# Altium PCB Proyecto_0-Buck_Up.PcbDoc (part 4 of 5) (continued)
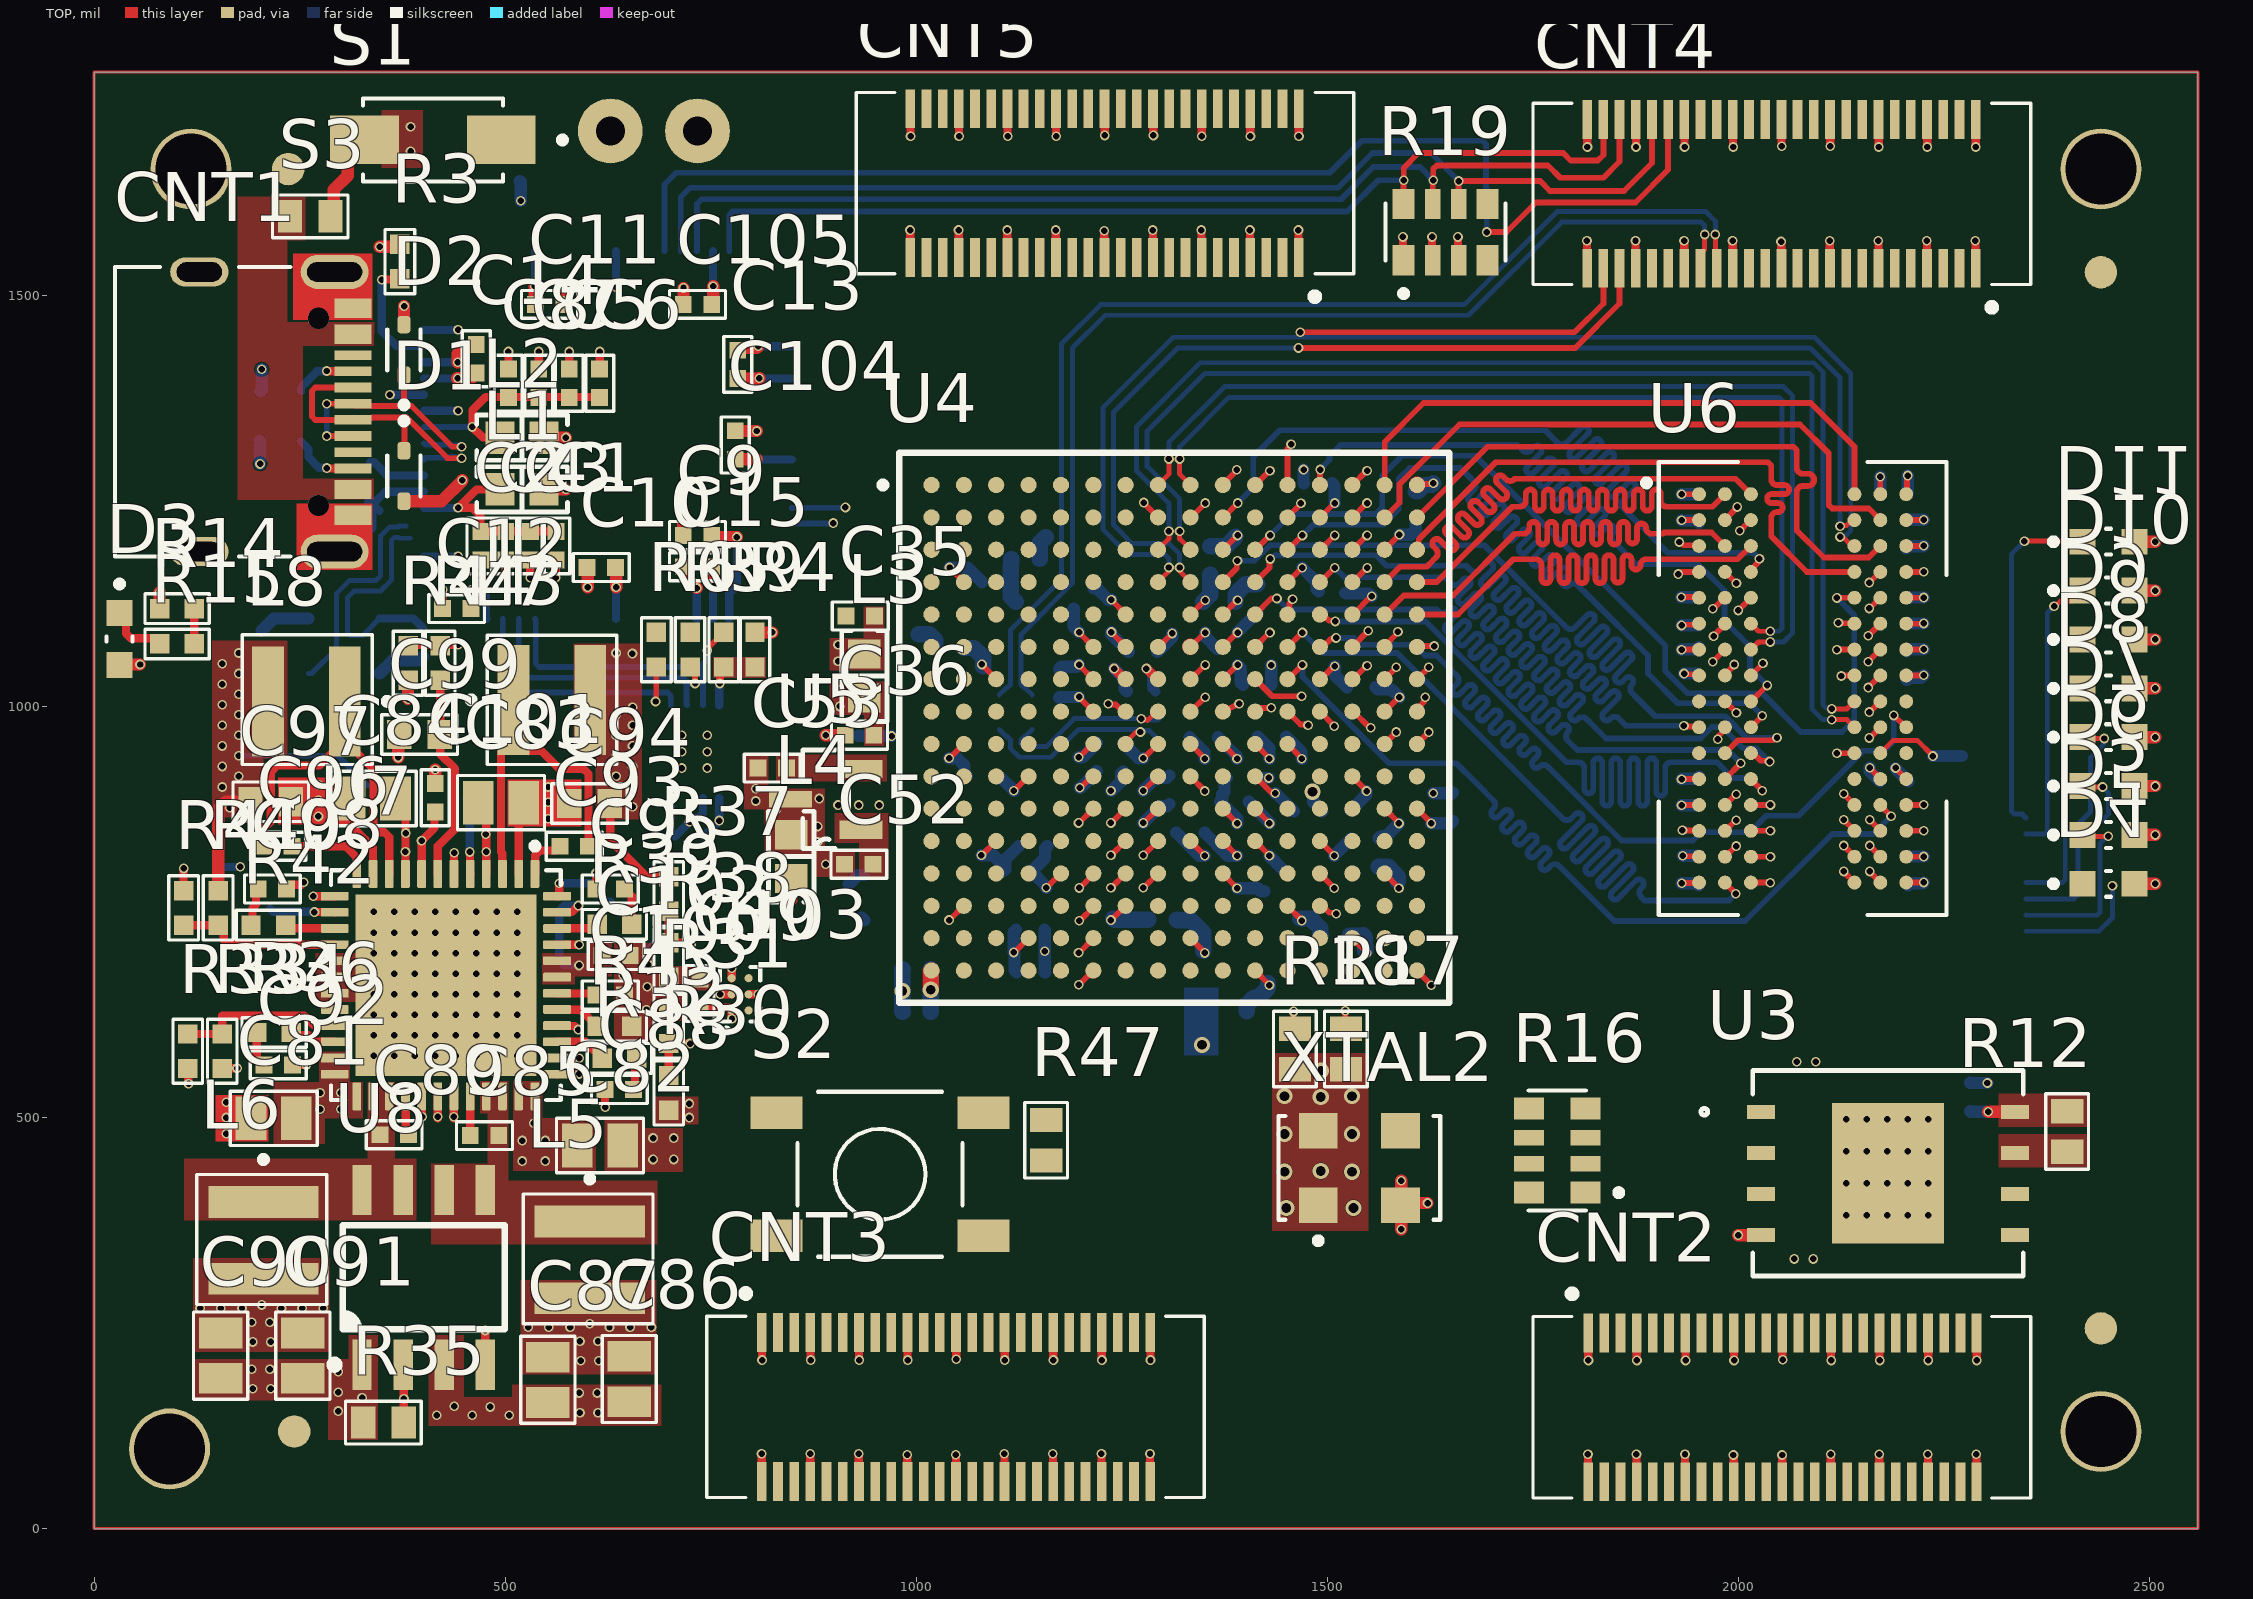
[diagram p0: TOP view]
## Nets (pads, with @x,y where several pads share a name; then routed paths per layer and width w, separated by ;. In a path a pad name is that pad's centre, name@x,y a point inside that pad or via, vN(x,y) a via of type N, cw(c..) or ccw(c..) an arc to the next point about the centre after c; other vN are vias at no path point) (continued)
DQ5: U4.J16 U6.H8 | length 667.8
  TOP w7: U4.J16@1609.16,954.37 1609.16,954.53 1623.37,968.74 v1(1623.37,968.89) ; v1(2158,1023) U6.H8@2172.7,1037.68
  Signal[1] w6: v1(1623.37,968.89) 1635.26,957 1636,957 1639,957 ccw(c1639,963) 1645,963 1645,969.05 cw(c1649.97,969.05) 1654.94,969.05 1654.94,956.97 ccw(c1659.91,956.97) 1664.87,956.97 1664.87,968.84 cw(c1669.84,968.84) 1674.81,968.84 1674.81,963 ccw(c1680.81,963) 1680.81,957 1705.44,957 1945,957 1961,973 2042,973 2092,1023 v1(2158,1023)
DQ6: U4.H14 U6.G2 | length 670.4
  TOP w7: U4.H14@1530.42,993.74 1531.95,993.74 1551.7,974 v1(1553,974) ; v1(1969.02,1054.5) U6.G2@1983.72,1069.18
  Signal[1] w6: v1(1553,974) 1566,987 1566,1011 1588,1033 1659,1033 1662,1033 ccw(c1662,1039) 1668,1039 1668,1045.31 cw(c1672.97,1045.31) 1677.94,1045.31 1677.94,1029.27 ccw(c1682.91,1029.27) 1687.87,1029.27 1687.87,1045.31 cw(c1692.84,1045.31) 1697.81,1045.31 1697.81,1029.27 ccw(c1702.78,1029.27) 1707.75,1029.27 1707.75,1045.31 cw(c1712.72,1045.31) 1717.69,1045.31 1717.69,1029.27 ccw(c1722.65,1029.27) 1727.62,1029.27 1727.62,1045.31 cw(c1732.59,1045.31) 1737.56,1045.31 1737.56,1039 ccw(c1743.56,1039) 1743.56,1033 1769.75,1033 1776.75,1040 1908.5,1040 1923,1054.5 v1(1969.02,1054.5)
DQ7: U4.J15 U6.H7 | length 667.8
  TOP w7: U4.J15@1569.79,954.37 1569.79,954.53 1584,968.74 v1(1584,968.89) ; v1(2125,1037.01) 2125.67,1037.68 U6.H7@2141.2,1037.68
  Signal[1] w6: v1(1584,968.89) 1606.11,991 1694,991 1706.94,991 cw(c1706.94,985) 1712.94,985 1712.94,978.22 ccw(c1717.91,978.22) 1722.87,978.22 1722.87,991.03 cw(c1727.84,991.03) 1732.81,991.03 1732.81,978.9 ccw(c1737.78,978.9) 1742.75,978.9 1742.75,985 cw(c1748.75,985) 1748.75,991 1763.03,991 1973,991 1988,1006 2047,1006 2078.01,1037.01 v1(2125,1037.01)
DQ8: U4.C16 U6.D7 | length 748.5
  TOP w7: U4.C16@1609.16,1190.6 1611.26,1192.69 1611.26,1203.26 1705,1297 2035.9,1297 2040,1292.9 2040,1279.72 2040,1276.22 ccw(c2047,1276.22) 2047,1269.22 2056.15,1269.22 cw(c2056.15,1263.75) 2056.15,1258.28 2040.47,1258.28 ccw(c2040.47,1252.81) 2040.47,1247.34 2048.3,1247.34 cw(c2048.3,1241.88) 2048.3,1236.41 2047,1236.41 ccw(c2047,1229.41) 2040,1229.41 2040,1211.79 2040,1207 2083.33,1163.67 U6.D7@2141.2,1163.67
DQ9: U4.E16 U6.C3 | length 747.8
  TOP w7: U4.E16@1609.16,1111.86 1659.14,1111.86 1726.29,1179 1739.18,1179 1753.61,1179 cw(c1753.61,1172) 1760.61,1172 1760.61,1155.35 ccw(c1766.08,1155.35) 1771.55,1155.35 1771.55,1178.53 cw(c1777.02,1178.53) 1782.49,1178.53 1782.49,1155.35 ccw(c1787.96,1155.35) 1793.43,1155.35 1793.43,1178.53 cw(c1798.89,1178.53) 1804.36,1178.53 1804.36,1155.35 ccw(c1809.83,1155.35) 1815.3,1155.35 1815.3,1178.53 cw(c1820.77,1178.53) 1826.24,1178.53 1826.24,1155.35 ccw(c1831.71,1155.35) 1837.17,1155.35 1837.17,1178.53 cw(c1842.64,1178.53) 1848.11,1178.53 1848.11,1155.95 ccw(c1853.58,1155.95) 1859.05,1155.95 1859.05,1178.53 cw(c1864.52,1178.53) 1869.98,1178.53 1869.98,1172 ccw(c1875.45,1172) 1880.92,1172 cw(c1887.92,1172) 1887.92,1179 1905.25,1179 1999.06,1179 U6.C3@2015.22,1195.16
DQ10: U4.B16 U6.C8 | length 747.8
  TOP w7: U4.B16@1609.16,1229.97 1695.2,1316 2066.9,1316 2071,1311.9 2071,1294 2071,1290.5 ccw(c2078.44,1290.5) 2078.44,1283.06 2084.72,1283.06 cw(c2084.72,1275.63) 2084.72,1268.19 2078.44,1268.19 ccw(c2078.44,1260.75) 2071,1260.75 2071,1241.45 2071,1214 2104,1181 2158.54,1181 U6.C8@2172.7,1195.16
DQ11: U4.E15 U6.C2 | length 747.9
  TOP w7: U4.E15@1569.79,1111.86 1569.86,1111.86 1569.86,1111.92 1592.94,1135 1653,1135 1728,1210 1735.05,1210 1738.55,1210 ccw(c1738.55,1217) 1745.55,1217 1745.55,1219.07 cw(c1751.02,1219.07) 1756.48,1219.07 1756.48,1202.47 ccw(c1761.95,1202.47) 1767.42,1202.47 1767.42,1219.07 cw(c1772.89,1219.07) 1778.36,1219.07 1778.36,1202.47 ccw(c1783.83,1202.47) 1789.29,1202.47 1789.29,1219.07 cw(c1794.76,1219.07) 1800.23,1219.07 1800.23,1202.47 ccw(c1805.7,1202.47) 1811.17,1202.47 1811.17,1219.07 cw(c1816.64,1219.07) 1822.11,1219.07 1822.11,1202.47 ccw(c1827.57,1202.47) 1833.04,1202.47 1833.04,1219.07 cw(c1838.51,1219.07) 1843.98,1219.07 1843.98,1202.47 ccw(c1849.45,1202.47) 1854.92,1202.47 1854.92,1219.07 cw(c1860.39,1219.07) 1865.85,1219.07 1865.85,1203.68 ccw(c1871.32,1203.68) 1876.79,1203.68 1876.79,1217 cw(c1882.26,1217) 1887.73,1217 ccw(c1894.73,1217) 1894.73,1210 1908.25,1210 1909.66,1211.41 1967.48,1211.41 U6.C2@1983.72,1195.16
DQ12: U4.A15 U6.A7 | length 723.1
  TOP w7: U4.A15@1569.79,1269.34 1569.79,1321.79 1617,1369 2088,1369 2141.2,1315.8 U6.A7@2141.2,1258.15
DQ13: U4.D16 U6.A2 | length 745.7
  TOP w7: U4.D16@1609.16,1151.23 1633.23,1151.23 1725,1243 1731,1243 1734.5,1243 ccw(c1734.5,1250) 1741.5,1250 1741.5,1258.36 cw(c1746.97,1258.36) 1752.44,1258.36 1752.44,1243.47 ccw(c1757.91,1243.47) 1763.37,1243.47 1763.37,1258.36 cw(c1768.84,1258.36) 1774.31,1258.36 1774.31,1243.47 ccw(c1779.78,1243.47) 1785.25,1243.47 1785.25,1258.36 cw(c1790.72,1258.36) 1796.19,1258.36 1796.19,1243.47 ccw(c1801.65,1243.47) 1807.12,1243.47 1807.12,1258.36 cw(c1812.59,1258.36) 1818.06,1258.36 1818.06,1243.47 ccw(c1823.53,1243.47) 1829,1243.47 1829,1258.36 cw(c1834.46,1258.36) 1839.93,1258.36 1839.93,1243.47 ccw(c1845.4,1243.47) 1850.87,1243.47 1850.87,1258.36 cw(c1856.34,1258.36) 1861.81,1258.36 1861.81,1243.47 ccw(c1867.28,1243.47) 1872.74,1243.47 1872.74,1258.36 cw(c1878.21,1258.36) 1883.68,1258.36 1883.68,1243.47 ccw(c1889.15,1243.47) 1894.62,1243.47 1894.62,1258.36 cw(c1900.09,1258.36) 1905.56,1258.36 1905.56,1250 ccw(c1912.56,1250) 1912.56,1243 1929.82,1243 1968.57,1243 U6.A2@1983.72,1258.15
DQ14: U4.B15 U6.B8 | length 747.8
  TOP w7: U4.B15@1569.79,1229.97 1588,1248.17 1588,1270.14 1660.86,1343 1877,1343 2050,1343 2075,1343 2110,1308 2110,1244.72 2114.1,1240.62 2158.73,1240.62 U6.B8@2172.7,1226.66
DQ15: U4.D15 U6.A3 | length 742.4
  TOP w7: U4.D15@1569.79,1151.23 1588.57,1170 1621,1170 1629.89,1178.89 1632.36,1181.36 ccw(c1627.41,1186.31) 1632.36,1191.26 1629.26,1194.37 cw(c1633.12,1198.24) 1629.26,1202.1 cw(c1633.12,1198.24) 1636.99,1202.1 1647.72,1191.38 ccw(c1651.58,1195.24) 1655.45,1191.38 ccw(c1651.58,1195.24) 1655.45,1199.11 1644.72,1209.84 cw(c1648.59,1213.7) 1644.72,1217.57 cw(c1648.59,1213.7) 1652.46,1217.57 1663.18,1206.85 ccw(c1667.05,1210.71) 1670.92,1206.85 ccw(c1667.05,1210.71) 1670.92,1214.58 1660.19,1225.3 cw(c1664.06,1229.17) 1660.19,1233.04 cw(c1664.06,1229.17) 1667.93,1233.04 1678.65,1222.31 ccw(c1682.52,1226.18) 1686.38,1222.31 ccw(c1682.52,1226.18) 1686.38,1230.05 1675.66,1240.77 cw(c1679.53,1244.64) 1675.66,1248.5 cw(c1679.53,1244.64) 1683.39,1248.5 1694.12,1237.78 ccw(c1697.98,1241.65) 1701.85,1237.78 ccw(c1697.98,1241.65) 1701.85,1245.51 1691.13,1256.24 cw(c1694.99,1260.1) 1691.13,1263.97 cw(c1694.99,1260.1) 1698.86,1263.97 1709.58,1253.25 ccw(c1713.45,1257.11) 1717.32,1253.25 ccw(c1713.45,1257.11) 1717.32,1260.98 1706.59,1271.71 cw(c1710.46,1275.57) 1706.59,1279.44 cw(c1710.46,1275.57) 1714.33,1279.44 1717.43,1276.33 ccw(c1722.38,1281.28) 1727.33,1276.33 1728,1277 1741.93,1277 1996.37,1277 U6.A3@2015.22,1258.15
E6: CNT4.40 U4.E6
EEPROM_CLK: R5.1 U1.62 U2.2 | length 334.5
  TOP w7: R5.1@725,1048 731,1042 v1(731,1028)
  Bottom Layer w7: U1.62@516.73,1106.38 516.73,1044.27 526,1035 716.48,1035 720.58,1030.9 720.58,1027 ; U2.2@721.16,1001.5 720.58,1002.07 720.58,1027 ; v1(731,1028) 730.08,1027.08 720.66,1027.08 720.58,1027
EEPROM_CS: R6.1 U1.63 U2.1 | length 353.9
  TOP w7: v1(683,1006) 684,1007 R6.1@684,1048
  Bottom Layer w7: U1.63@497.05,1106.38 497.05,1027.95 508,1017 683,1017 ; v1(683,1006) 683,1017 ; U2.1@701.47,1001.5 701.47,1012.91 697.39,1017 683,1017
EEPROM_DATA: R9.2 U1.61 U2.3 | length 358.2
  TOP w7: v1(746,1068) 746.92,1068.92 746.92,1070.92 R9.2@766,1090
  Bottom Layer w7: U1.61@536.42,1106.38 537.15,1105.64 537.15,1052.1 541.25,1048 736.74,1048 ; U2.3@740.84,1001.5 740.84,1043.9 736.74,1048 ; v1(746,1068) 745.08,1067.08 745.08,1056.34 736.74,1048
Enable_CH1y5: R24.1 R27.2 U7.5 U7.37 | length 120.4
  TOP w10: v1(457,823) 457.26,822.74 457.26,796.5 U7.5@457.53,796.24 ; U7.37@563.24,552.73 563.37,552.87 589.87,552.87 v1(590,553)
  Bottom Layer w10: R27.2@453.39,888 457,884.39 v1(457,823)
Enable_CH3: R25.1 R28.2 U7.48 | length 92.5
  TOP w10: U7.48@563.24,769.27 565.68,769.27 566,769.58 v1(566,785)
  Bottom Layer w10: v1(566,785) 605.61,785 613.31,777.29 613.31,772.37 623.08,762.61 R25.1@628,762.61
Enable_CH4: R26.1 R29.2 U7.14 | length 80.8
  TOP w10: v1(268.1,749.9) 292.45,749.9 U7.14@292.76,749.58
  Bottom Layer w10: R26.1@214,754.39 218.15,750.24 267.76,750.24 v1(268.1,749.9)
GND: C1.1 C2.1 C3.1 C4.1 C5.1 C6.1 C7.1 C8.1 C9.2 C10.1 C11.1 C12.1 C13.1 C14.1 C15.1 C16.1 C17.1 C18.1 C19.1 C20.1 C21.1 C22.1 C23.1 C24.1 C25.1 C26.1 C27.1 C28.1 C29.1 C30.1 C31.1 C32.1 C33.1 C34.1 C35.1 C36.1 C38.1 C39.1 C40.1 C41.1 C42.1 C43.1 C44.1 C45.1 C46.1 C47.1 C48.1 C49.1 C50.1 C51.1 C56.1 C57.1 C58.1 C59.1 C60.1 C61.1 C62.1 C63.1 C64.1 C65.1 C66.1 C67.1 C68.1 C69.1 C70.1 C71.1 C72.1 C73.1 C74.1 C75.1 C76.1 C77.1 C78.1 C79.1 C80.1 C81.1 C82.1 C83.1 C84.1 C86.1 C87.1 C88.1 C90.1 C91.1 C92.1 C94.1 C95.1 C97.1 C98.1 C99.1 C100.1 C101.1 C102.1 C103.2 C104.1 C105.1 CNT1.A1_B12 CNT1.B1_A12 CNT1.SH1 CNT1.SH2 CNT1.SH3 CNT1.SH4 CNT2.4 CNT2.10 CNT2.16 CNT2.22 CNT2.29 CNT2.35 CNT2.41 CNT2.47 CNT3.4 CNT3.10 CNT3.16 CNT3.22 CNT3.29 CNT3.35 CNT3.41 CNT3.47 CNT4.4 CNT4.10 CNT4.16 CNT4.22 CNT4.29 CNT4.35 CNT4.41 CNT4.47 CNT5.4 CNT5.10 CNT5.16 CNT5.22 CNT5.29 CNT5.35 CNT5.41 CNT5.47 D1.A D2.A D3.C D4.C D5.C D6.C D7.C D8.C D9.C D10.C D11.C L4.1 pad.F@236.22,1653.54 pad.H@118.11,1653.54 pad.Supply+@734,1700 R1.2 R2.2 R7.1 R10.1 R23.1 R27.1 R28.1 R29.1 R31.2 R34.2 R35.2 R38.2 R41.2 R44.2 R45.1 R48.2 S2.3 S2.4 U1.1 U1.5 U1.10 U1.11 U1.13 U1.15 U1.25 U1.35 U1.47 U1.51 U2.5 U3.4 U3.9 U4.A1 U4.A11 U4.B8 U4.C5 U4.C15 U4.D2 U4.D12 U4.E9 U4.F6 U4.F8 U4.F10 U4.F16 U4.G3 U4.G9 U4.G13 U4.H6 U4.J9 U4.J11 U4.K4 U4.K6 U4.K7 U4.K8 U4.K14 U4.L1 U4.L11 U4.M8 U4.M10 U4.M11 U4.N5 U4.N15 U4.P2 U4.P12 U4.R9 U4.T6 U4.T16 U6.A9 U6.B1 U6.B3 U6.B9 U6.D1 U6.D8 U6.E1 U6.E2 U6.E8 U6.F9 U6.G1 U6.G8 U6.G9 U6.J2 U6.J8 U6.M1 U6.M9 U6.P1 U6.P9 U6.T1 U6.T9 U7.2 U7.11 U7.13 U7.17 U7.18 U7.19 U7.30 U7.38 U7.49 U8.1 U8.3 U9.B2 XTAL1.2 XTAL2.2 | length 5853.9
  TOP w7: v1@1040.41,740.15 U4.P2@1057.79,757.52 ; v1@1040.61,1168.6 U4.D2@1057.98,1151.23 ; v1@1079.98,1050.69 U4.G3@1097.35,1033.31 ; v1@1119.15,897.63 U4.K4@1136.53,915 ; v1@1158.52,779.52 U4.N5@1175.9,796.89 ; v1@1198.09,661.41 U4.T6@1215.46,678.78 ; v1@1198.09,1011.12 U4.H6@1215.46,993.74 ; v1@1198.09,1089.86 U4.F6@1215.46,1072.49 ; v1@1199.48,900.97 U4.K6@1216.86,918.34 ; v1@1276.63,818.89 U4.M8@1294.01,836.26 ; v1@1276.63,897.63 U4.K8@1294.01,915 ; v1@1276.83,1247.54 U4.B8@1294.2,1230.16 ; U4.F8@1293.81,1071.4 v1@1311.19,1088.78 ; U4.R9@1333.57,717.96 v1@1350.95,700.58 ; U4.J9@1333.57,954.18 v1@1350.95,936.8 ; U4.G9@1333.77,1033.12 v1@1351.15,1050.49 ; U4.E9@1333.77,1111.86 v1@1351.15,1129.23 ; U4.M10@1372.94,836.07 v1@1390.32,818.69 ; U4.F10@1373.14,1072.49 v1@1390.52,1089.86 ; U4.M11@1412.31,836.07 v1@1429.69,818.69 ; U4.L11@1412.31,875.44 v1@1429.69,858.06 ; U4.J11@1412.31,954.18 v1@1429.69,936.8 ; U4.A11@1412.51,1269.34 v1@1429.89,1286.71 ; U4.A11@1413.09,1269.34 U4.A11@1413.09,1270.91 ; U4.P12@1451.68,757.33 v1@1469.06,739.95 ; U4.D12@1451.88,1151.23 v1@1469.26,1168.6 ; U4.G13@1491.25,1033.12 1492.09,1033.12 1507.98,1049 v1(1509.02,1049) ; U4.K14@1530.42,914.81 v1@1547.8,897.43 ; U4.N15@1569.79,796.7 v1@1587.17,779.32 ; U4.C15@1569.99,1190.6 1569.99,1191.01 1587.76,1208.78 v1(1587.76,1209) ; U4.T16@1609.16,678.59 v1@1626.54,661.21 ; U4.F16@1609.68,1072.81 1610.3,1073.42 v1(1630.3,1073.42) ; v1(1927,1161) 1928.3,1161 1930.97,1163.67 U6.D1@1952.22,1163.67 ; v1(1930.41,1132.75) 1930.66,1133 U6.E1@1951.7,1133 ; v1(1930.94,911.45) 1931.18,911.7 U6.M1@1952.22,911.7 ; v1(1930.94,1068.93) 1931.18,1069.18 U6.G1@1952.22,1069.18 ; v1(1930.94,1226.41) 1931.18,1226.66 U6.B1@1952.22,1226.66 ; v1(1931.32,785.09) 1931.64,785.4 1951.91,785.4 U6.T1@1952.22,785.71 ; v1(1931.95,849.47) 1932.33,849.09 1951.84,849.09 U6.P1@1952.22,848.7 ; v1(1969.02,1118.91) 1969.74,1118.91 1983,1132.17 U6.E2@1983.72,1132.17 ; U6.J2@1983.72,1006.19 v1(1997.7,992.2) ; v1(2001.59,1213.65) 2001.9,1213.65 2014.91,1226.66 U6.B3@2015.22,1226.66 ; v1(2158,1054.5) U6.G8@2172.7,1069.18 ; v1(2159.07,1119.16) 2159.38,1119.16 2172.39,1132.17 U6.E8@2172.7,1132.17 ; v1(2159.07,1150.66) 2159.38,1150.66 2172.39,1163.67 U6.D8@2172.7,1163.67 ; v1(2159.38,993.18) 2159.69,993.18 U6.J8@2172.7,1006.19 U6.J8@2173.01,1006.19 ; v1(2191.18,925.17) 2191.18,924.86 2204.19,911.85 U6.M9@2204.19,911.7 U6.M9@2204.19,911.54 ; U6.T9@2204.19,785.71 2225.23,785.71 v1(2225.48,785.96) ; U6.P9@2204.19,848.7 2225.23,848.7 v1(2225.48,848.95) ; U6.G9@2204.19,1069.18 2225.23,1069.18 v1(2225.48,1069.42) ; U6.F9@2204.19,1100.67 2225.23,1100.67 v1(2225.48,1100.92) ; U6.B9@2204.19,1226.66 2225.23,1226.66 v1(2225.48,1226.9) ; v1(2205.9,1280.83) 2205.05,1279.98 2205.05,1260.65 U6.A9@2206.02,1259.67
  TOP w10: R41.2@109,775.91 v1(109,802.91) ; R34.2@156,559.62 156.19,559.81 173.81,559.81 v1(174,560) ; C98.1@234.32,778 239.56,783.24 252.24,783.24 v1(255,786) ; C92.1@241.32,564 v1(258,564) ; v1(266.54,769) 266.8,769.27 U7.13@292.76,769.27 ; C84.1@311.44,888 315.72,883.72 315.72,852.28 339.42,828.58 U7.11@339.42,796.24 ; v1@418,499 v1@418.16,499.16 ; v1(418,501) 418,525.61 U7.30@418.16,525.76 ; C12.1@423.35,1118.68 424.03,1119.35 423.69,1119.69 423.69,1141.34 v1@424.03,1141.68 ; v1(470.7,1156.67) C2.1@470.73,1177.97 ; v1(500.7,1156.67) C4.1@500.73,1177.97 ; C8.1@504.03,1410.36 v1@504.03,1431.62 ; U7.2@516.58,796.24 516.58,877.02 C83.1@522.56,883 ; v1(530.7,1156.67) C3.1@530.73,1177.97 ; C7.1@541.03,1410.36 v1@541.03,1431.62 ; v1(561.7,1156.67) C1.1@561.73,1177.97 ; U7.38@563.24,572.42 574.96,572.42 575.17,572.21 589.79,572.21 v1(590,572) ; C5.1@578.03,1410.36 v1@578.03,1431.62 ; C95.1@610.68,778 v1(610.68,797.32) ; C6.1@615.03,1410.36 v1@615.03,1431.62 ; v1(621.68,512.32) C88.1@621.68,534 ; U9.B2@796.23,649.86 807.86,649.86 v1(808,650) ; v1@805.68,1335.32 v1(806,1335) ; v1(871,91) 871.16,90.84 871.16,57.61 CNT3.47@871.31,57.45 ; CNT3.4@871.31,238.55 871.47,238.39 871.47,205.16 v1(871.63,205) ; v1(989,90) 989.21,89.79 989.21,57.66 CNT3.41@989.43,57.45 ; CNT3.10@989.43,238.55 989.58,238.39 989.58,205.16 v1(989.74,205) ; v1(1051.57,1579.45) 1051.73,1579.29 1051.73,1546.06 CNT5.22@1051.89,1545.9 ; CNT5.29@1051.89,1727 1052.05,1726.84 1052.05,1693.61 v1(1052.2,1693.45) ; v1(1107.22,91) 1107.38,90.84 1107.38,57.61 CNT3.35@1107.54,57.45 ; CNT3.16@1107.54,238.55 1107.69,238.39 1107.69,205.16 v1(1107.85,205) ; v1(1169.69,1579.45) 1169.84,1579.29 1169.84,1546.06 CNT5.16@1170,1545.9 ; CNT5.35@1170,1727 1170.16,1726.84 1170.16,1693.61 v1(1170.31,1693.45) ; v1(1225.33,91) 1225.49,90.84 1225.49,57.61 CNT3.29@1225.65,57.45 ; CNT3.22@1225.65,238.55 1225.8,238.39 1225.8,205.16 v1(1225.96,205) ; v1(1287.8,1579.45) 1287.95,1579.29 1287.95,1546.06 CNT5.10@1288.11,1545.9 ; CNT5.41@1288.11,1727 1288.32,1726.79 1288.32,1694.66 v1(1288.54,1694.45) ; v1(1405.91,1579.45) 1406.06,1579.29 1406.06,1546.06 CNT5.4@1406.22,1545.9 ; CNT5.47@1406.22,1727 1406.38,1726.84 1406.38,1693.61 v1(1406.54,1693.45) ; v1(1874.89,1566.45) 1875.05,1566.29 1875.05,1533.06 CNT4.22@1875.2,1532.9 ; CNT4.29@1875.2,1714 1875.36,1713.84 1875.36,1680.61 v1(1875.52,1680.45) ; v1(1876.06,90.55) 1876.21,90.39 1876.21,57.16 CNT2.47@1876.37,57 ; CNT2.4@1876.37,238.1 1876.53,237.94 1876.53,204.71 v1(1876.69,204.55) ; v1(1993,1566.45) 1993.16,1566.29 1993.16,1533.06 CNT4.16@1993.31,1532.9 ; CNT4.35@1993.31,1714 1993.47,1713.84 1993.47,1680.61 v1(1993.63,1680.45) ; v1(1994.06,89.55) 1994.27,89.34 1994.27,57.21 CNT2.41@1994.48,57 ; CNT2.10@1994.48,238.1 1994.64,237.94 1994.64,204.71 v1(1994.8,204.55) ; v1(2111.11,1566.45) 2111.27,1566.29 2111.27,1533.06 CNT4.10@2111.43,1532.9 ; CNT4.41@2111.43,1714 2111.64,1713.79 2111.64,1681.66 v1(2111.85,1681.45) ; v1(2112.28,90.55) 2112.43,90.39 2112.43,57.16 CNT2.35@2112.59,57 ; CNT2.16@2112.59,238.1 2112.75,237.94 2112.75,204.71 v1(2112.91,204.55) ; v1(2229.22,1566.45) 2229.38,1566.29 2229.38,1533.06 CNT4.4@2229.54,1532.9 ; CNT4.47@2229.54,1714 2229.69,1713.84 2229.69,1680.61 v1(2229.85,1680.45) ; v1(2230.39,90.55) 2230.54,90.39 2230.54,57.16 CNT2.29@2230.7,57 ; CNT2.22@2230.7,238.1 2230.86,237.94 2230.86,204.71 v1(2231.02,204.55)
  TOP w12: U4.G3@1095.27,1033.12 U4.G3@1097.35,1033.12
  TOP w15: D3.C@31,1050.5 31.5,1051 v1(56,1051) ; v1(370,938) 370,964.61 C99.1@371.39,966 ; D1.A@377,1249.58 422.58,1249.58 v1(448,1275) ; D2.A@377,1464.42 377.09,1464.51 v1(377.09,1487.02) ; v1(382,1009) R44.2@382,1031.62 ; C101.1@415,906.32 v1(415,923) ; v1(442.54,1418.58) 442.54,1428.8 451.33,1437.59 462.26,1437.59 C14.1@465,1440.32 ; C11.1@571.32,1489 572,1489.68 v1(572,1511) ; C10.1@599.68,1169 600.35,1168.32 v1(600.35,1145) ; C15.1@716.68,1170 719.41,1167.26 719.41,1157.59 v1(733,1144) ; C9.2@716.68,1208 716.68,1232.68 v1(717,1233) ; C105.1@716.68,1490 717,1490.32 v1(717,1509) ; C104.1@780,1335.32 780.32,1335 v1(806,1335) ; C13.1@783,1433.32 785.74,1436.06 806.06,1436.06 v1(808,1438) ; v1(848,765) L4.1@848,790.85 ; v1(890,965) C36.1@913.68,965 ; XTAL2.2@1588,393.55 1590,395.55 v1(1590,423) ; XTAL2.2@1588.55,395 1589.55,396 v1(1622,396) ; XTAL2.2@1589,393.45 1590,392.45 v1(1590,364) ; v1(2000,357) U3.4@2027.5,357 ; D4.C@2481.65,784.32 v1(2507.24,784.32) ; D5.C@2481.65,843.75 v1(2507.24,843.75) ; D6.C@2481.65,903.18 v1(2507.24,903.18) ; D7.C@2481.65,962.61 v1(2507.24,962.61) ; D8.C@2481.65,1022.03 v1(2507.24,1022.03) ; D9.C@2481.65,1081.46 v1(2507.24,1081.46) ; D10.C@2481.65,1140.89 v1(2507.24,1140.89) ; D11.C@2481.65,1200.32 v1(2507.24,1200.32)
  TOP w18: U4.F16@1609.16,1072.49 U4.F16@1609.49,1072.81
  Bottom Layer w7: C71.1@2204.19,1226.66 C71.1@2204.31,1226.78 ; v1@2225.35,1226.78 v1(2225.48,1226.9)
  Bottom Layer w10: R29.1@152,803.61 153.05,804.65 177.65,804.65 v1(178,805) ; R7.1@336,1247.79 R7.1@337.65,1247.79 ; R7.1@347.41,1238.02 R7.1@337.65,1247.79 ; v1(360,1379) 360.21,1379.21 U1.11@401.38,1379.21 ; U1.1@401.38,1182.36 442.54,1182.36 v1(442.76,1182.57) ; U1.5@401.38,1261.1 354.24,1261.1 340.92,1247.79 R7.1@337.65,1247.79 ; U1.10@401.38,1359.53 442.54,1359.53 v1(442.76,1359.74) ; U1.13@401.38,1418.58 v1(442.54,1418.58) ; U1.15@401.38,1457.95 442.54,1457.95 v1(442.76,1458.17) ; U1.25@634.84,1553.62 634.92,1553.54 634.92,1510.08 v1(635,1510) ; v1(674,686) 674,703.63 683.76,713.39 R28.1@688,713.39 ; v1(733,1144) 733.13,1143.87 733.13,1106.78 733,1106.65 U1.51@733.27,1106.38 ; C18.1@741.32,842 v1(760.53,861.2) U2.5@760.53,888.5 ; v1(808,1438) 848.35,1438 U1.35@848.62,1438.27 ; v1@1351.26,1050.49 v1(1351.54,1050.49) ; v1(1431.73,1050.34) v1@1432.05,1050.02
  Bottom Layer w15: R1.2@201.79,1323 202,1322.79 v1(202,1295) ; R2.2@202.39,1383 204,1384.61 v1(204,1410) ; C16.1@204,1092.32 218.59,1106.91 XTAL1.2@260.66,1106.91 ; CNT1.SH2@292.68,1188.29 306.23,1188.29 336,1218.06 R7.1@336,1247.79 ; XTAL1.2@347.27,1039.98 363.4,1056.11 395.43,1056.11 C17.1@400,1060.68 ; R10.1@518,1639 519,1638 v1(519,1615) ; C51.1@933.52,743.36 C51.1@937,739.88 ; v1(1040.61,1168.99) 1062.26,1168.99 C23.1@1080.03,1151.23 ; C25.1@1096.05,915.34 1098.79,912.61 1103.78,912.61 v1(1118.76,897.63) ; C48.1@1156.05,728.34 1156.55,727.84 v1(1156.55,702.34) 1156.55,676.84 C47.1@1157.05,676.34 ; v1(1158.13,779.52) 1158.13,781.26 C49.1@1140.05,799.34 1156.59,815.88 1156.59,827.26 C50.1@1159.32,830 ; C59.1@1173.73,1010.7 1174.54,1011.51 v1(1198.09,1011.51) ; C30.1@1191.48,1119.09 1191.48,1096.86 v1(1198.09,1090.25) ; v1(1199.09,900.97) 1199.67,900.97 C60.1@1219.73,921.02 ; v1(1276.24,897.63) 1291.87,913.25 1304.99,913.25 C58.1@1307.73,915.99 ; C57.1@1293.38,1066.34 1311.57,1084.54 v1(1311.57,1088.78) ; C68.1@1332.41,962.34 1350.61,944.15 1350.61,936.76 v1(1350.95,936.41) ; C29.1@1351.05,846.34 1379.09,818.3 v1(1390.32,818.3) ; v1(1390.91,1089.86) 1390.91,1090.2 C62.1@1414.73,1114.02 ; C64.1@1404.38,884.34 1429.69,859.03 v1(1429.69,857.67) ; C65.1@1412.32,913 v1(1429,913) ; C39.1@1415.41,963.34 1429.35,949.41 1429.35,936.76 v1(1429.69,936.41) ; v1(1429.69,818.3) 1429.69,817.88 C24.1@1447.98,799.59 ; v1(1431.73,1050.34) 1431.73,1026.67 C66.1@1432.05,1026.34 ; v1(1469.65,1168.6) 1486.94,1151.31 1486.94,1142.74 C40.1@1489.68,1140 ; v1(1471.12,1288.09) 1471.12,1271.63 C42.1@1471.35,1271.4 ; v2(1482.1,896.34) 1483,895.45 1483,883.4 C67.1@1494.05,872.34 ; v1(1509.02,1049) 1509.02,1038.41 C38.1@1524.08,1023.34 ; C31.1@1528.73,873.67 1547.8,892.74 v1(1547.8,897.04) ; v1(1587.76,1209) 1601.39,1209 1607.73,1215.34 C41.1@1607.73,1227.02 ; v1(1628.73,894.34) 1651.73,894.34 C27.1@1652.73,895.34 ; v1(1930.41,1132.75) 1951.45,1132.75 C77.1@1951.7,1133 ; v1(1930.94,911.45) 1931.6,912.11 1949.49,912.11 C70.1@1952.22,914.85 ; v1(1930.94,1068.93) 1931.6,1069.59 1949.49,1069.59 C80.1@1952.22,1072.33 ; v1(1930.94,1226.41) 1931.11,1226.24 1949.49,1226.24 C73.1@1952.22,1223.51 ; v1(1931.32,785.09) 1948.96,785.09 C75.1@1951.7,782.35 ; v1(2191.18,925.17) 2191.18,924.51 C79.1@2207.02,908.67 ; C78.1@2204.44,1100.92 v1(2225.48,1100.92) ; C71.1@2204.44,1226.9 v1(2225.48,1226.9) ; C74.1@2204.7,1067 2207.12,1069.42 v1(2225.48,1069.42) ; v1(2205.9,1280.83) 2205.9,1259.8 C76.1@2206.02,1259.67 ; C72.1@2206.7,782.35 2209.43,785.09 2224.61,785.09 v1(2225.48,785.96) ; C19.1@2282,542.32 2282.32,542 v1(2303,542)
  Bottom Layer w20: C46.1@983.41,628.34 983.17,628.58 v2(983.17,653.78) 983.17,680.11 C45.1@983.41,680.34 ; C20.1@1058.05,1071.34 1058.29,1071.11 1070.07,1071.11 1081.79,1059.39 v1@1081.79,1048.59 ; C22.1@1150.05,1179.34 1150.29,1179.58 1150.29,1198.83 1157.53,1206.07 ; C21.1@1317.05,740.34 1317.29,740.11 1333.97,740.11 1349.14,724.93 v1@1349.14,702.68 ; v1@1349.05,1127.42 1357.49,1135.87 1357.49,1159.78 C43.1@1357.73,1160.02 ; v1@1467.25,742.05 1479.72,742.05 1491.44,730.34 1491.44,722.31 C28.1@1492.41,721.34 ; C32.1@1562.73,805.02 1574.34,804.78 1585.61,793.03 1585.61,787.35 1585.48,787.23
  other v1: 417,138 460,138 505,138 591,141 613,141 297,143 482,148 438,149 326,159 590,165 612,165 297,166 193,170 215,170 297,191 192,194 214,194 2131,381 2156,381 2181,381 2206,381 2231,381 2131,420 2156,420 2181,420 2206,420 2231,420 680,449 705,449 2131,459 2156,459 2181,459 2206,459 2231,459 680,475 705,475 161,480.2 2131,498 2156,498 2181,498 2206,498 2231,498 161,500 161,518.66 340,575 365,575 390,575 415,575 440,575 465,575 490,575 515,575 340,600 365,600 390,600 415,600 440,600 465,600 490,600 515,600 340,625 365,625 390,625 415,625 440,625 465,625 490,625 515,625 672,631 340,650 365,650 390,650 415,650 440,650 465,650 490,650 515,650 673,659 1626.54,660.82 1197.7,661.41 644,673 340,675 365,675 390,675 415,675 440,675 465,675 490,675 515,675 340,700 365,700 390,700 415,700 440,700 465,700 490,700 515,700 1350.95,700.19 340,725 365,725 390,725 415,725 440,725 465,725 490,725 515,725 1469.06,739.56 1040.02,740.15 340,750 365,750 390,750 415,750 440,750 465,750 490,750 515,750 1587.17,778.93 1276.24,818.89 552.39,863.55 273,866.2 905,880 930,880 955,880 552.39,883.34 273,886 552.39,902 273,904.66 715,925 746,925 715,945 746,945 715,965 746,965 1079.98,1051.08 1351.54,1129.23 424.13,1141.78 1276.83,1247.93 1430.28,1286.71 504.07,1431.66 541.07,1431.66 578.07,1431.66 615.07,1431.66
  other v2: 1347.73,588.34
IN_Filter_ADC_N: CNT4.17 R21.2 | length 1384
  TOP w6: v1(1972,1574) 1972,1534.53 CNT4.17@1973.63,1532.9
  Bottom Layer w6: R21.2@1101,1014 1109.81,1022.81 1110.99,1022.81 1114.5,1026.33 1114.5,1092.5 1177,1155 1177,1441.38 1224.4,1488.79 1666.4,1488.79 1779.62,1602 1960.29,1602 1972,1590.29 v1(1972,1574)
IN_Filter_ADC_P: CNT4.18 R20.2 | length 1342.3
  TOP w6: CNT4.18@1953.94,1532.9 1953.94,1550.61 1959,1555.67 v1(1959,1574)
  Bottom Layer w6: R20.2@1141,1014 1132.19,1022.81 1131.01,1022.81 1127.5,1026.33 1127.5,1087.12 1190,1149.62 1190,1436 1229.79,1475.79 1671.79,1475.79 1785,1589 1954.91,1589 1959,1584.91 v1(1959,1574)
K5: CNT4.39 U4.K5
L4: CNT3.2 U4.L4
L4_N: CNT5.45 U4.A3
L4_P: CNT5.46 U4.B4
L5: CNT4.20 U4.L5
L6_N: CNT5.42 U4.D5
L6_P: CNT5.43 U4.D6
L11_N: CNT5.18 U4.D3
L11_P: CNT5.17 U4.E3
L12_N: CNT5.33 U4.C4
L12_P: CNT5.34 U4.D4
L13_N: CNT5.21 U4.E5
L13_P: CNT5.20 U4.F5
L14_N: CNT5.30 U4.F3
L14_P: CNT5.31 U4.F4
L15_N: CNT5.24 U4.E1
L15_P: CNT5.23 U4.F2
L16_N: CNT5.27 U4.G4
L16_P: CNT5.28 U4.G5
L17_N: CNT3.36 U4.G1
L17_P: CNT3.37 U4.G2
L18_N: CNT3.18 U4.H4
L18_P: CNT3.17 U4.H5
L19_N: CNT3.33 U4.J4
L19_P: CNT3.34 U4.J5
L20_N: CNT3.21 U4.H1
L20_P: CNT3.20 U4.H2
L21_N: CNT3.30 U4.H3
L21_P: CNT3.31 U4.J3
L22_N: CNT3.24 U4.J1
L22_P: CNT3.23 U4.K1
L23_N: CNT3.27 U4.L2
L23_P: CNT3.28 U4.L3
L24_N: CNT4.12 U4.K2
L24_P: CNT4.11 U4.K3
LDM: U4.C11 U6.E7 | length 1140.5
  TOP w7: U4.C11@1412.31,1190.6 1412.7,1190.6 1430.08,1207.97 v1(1430.47,1207.97) ; v1(2119.92,1131.93) 2120.16,1132.17 U6.E7@2141.2,1132.17
  Bottom Layer w7: v1(1430.47,1207.97) 1456.5,1234 1559,1234 1567,1242 1567,1281 1591,1305 1680,1305 1911,1074 1911,1043 1938,1016 2029,1016 2076,969 2126,969 2141,984 2141,1110.84 v1(2119.92,1131.93)
LDQS_N: U4.A8 U6.G3 | length 1196.5
  TOP w6: U4.A8@1294.2,1269.34 1307.39,1282.52 v1(1307.39,1301) ; U6.G3@2015.22,1069.18 2024.46,1078.43 v1(2038.7,1078.43)
  Bottom Layer w6: v1(1307.39,1301) 1307.39,1321.39 1375,1389 1413,1389 1610,1389 2054.99,1389 2066.12,1377.87 2066.12,1089.56 2054.99,1078.43 v1(2038.7,1078.43)